# KiCad board vme-wren.kicad_pcb (continued)
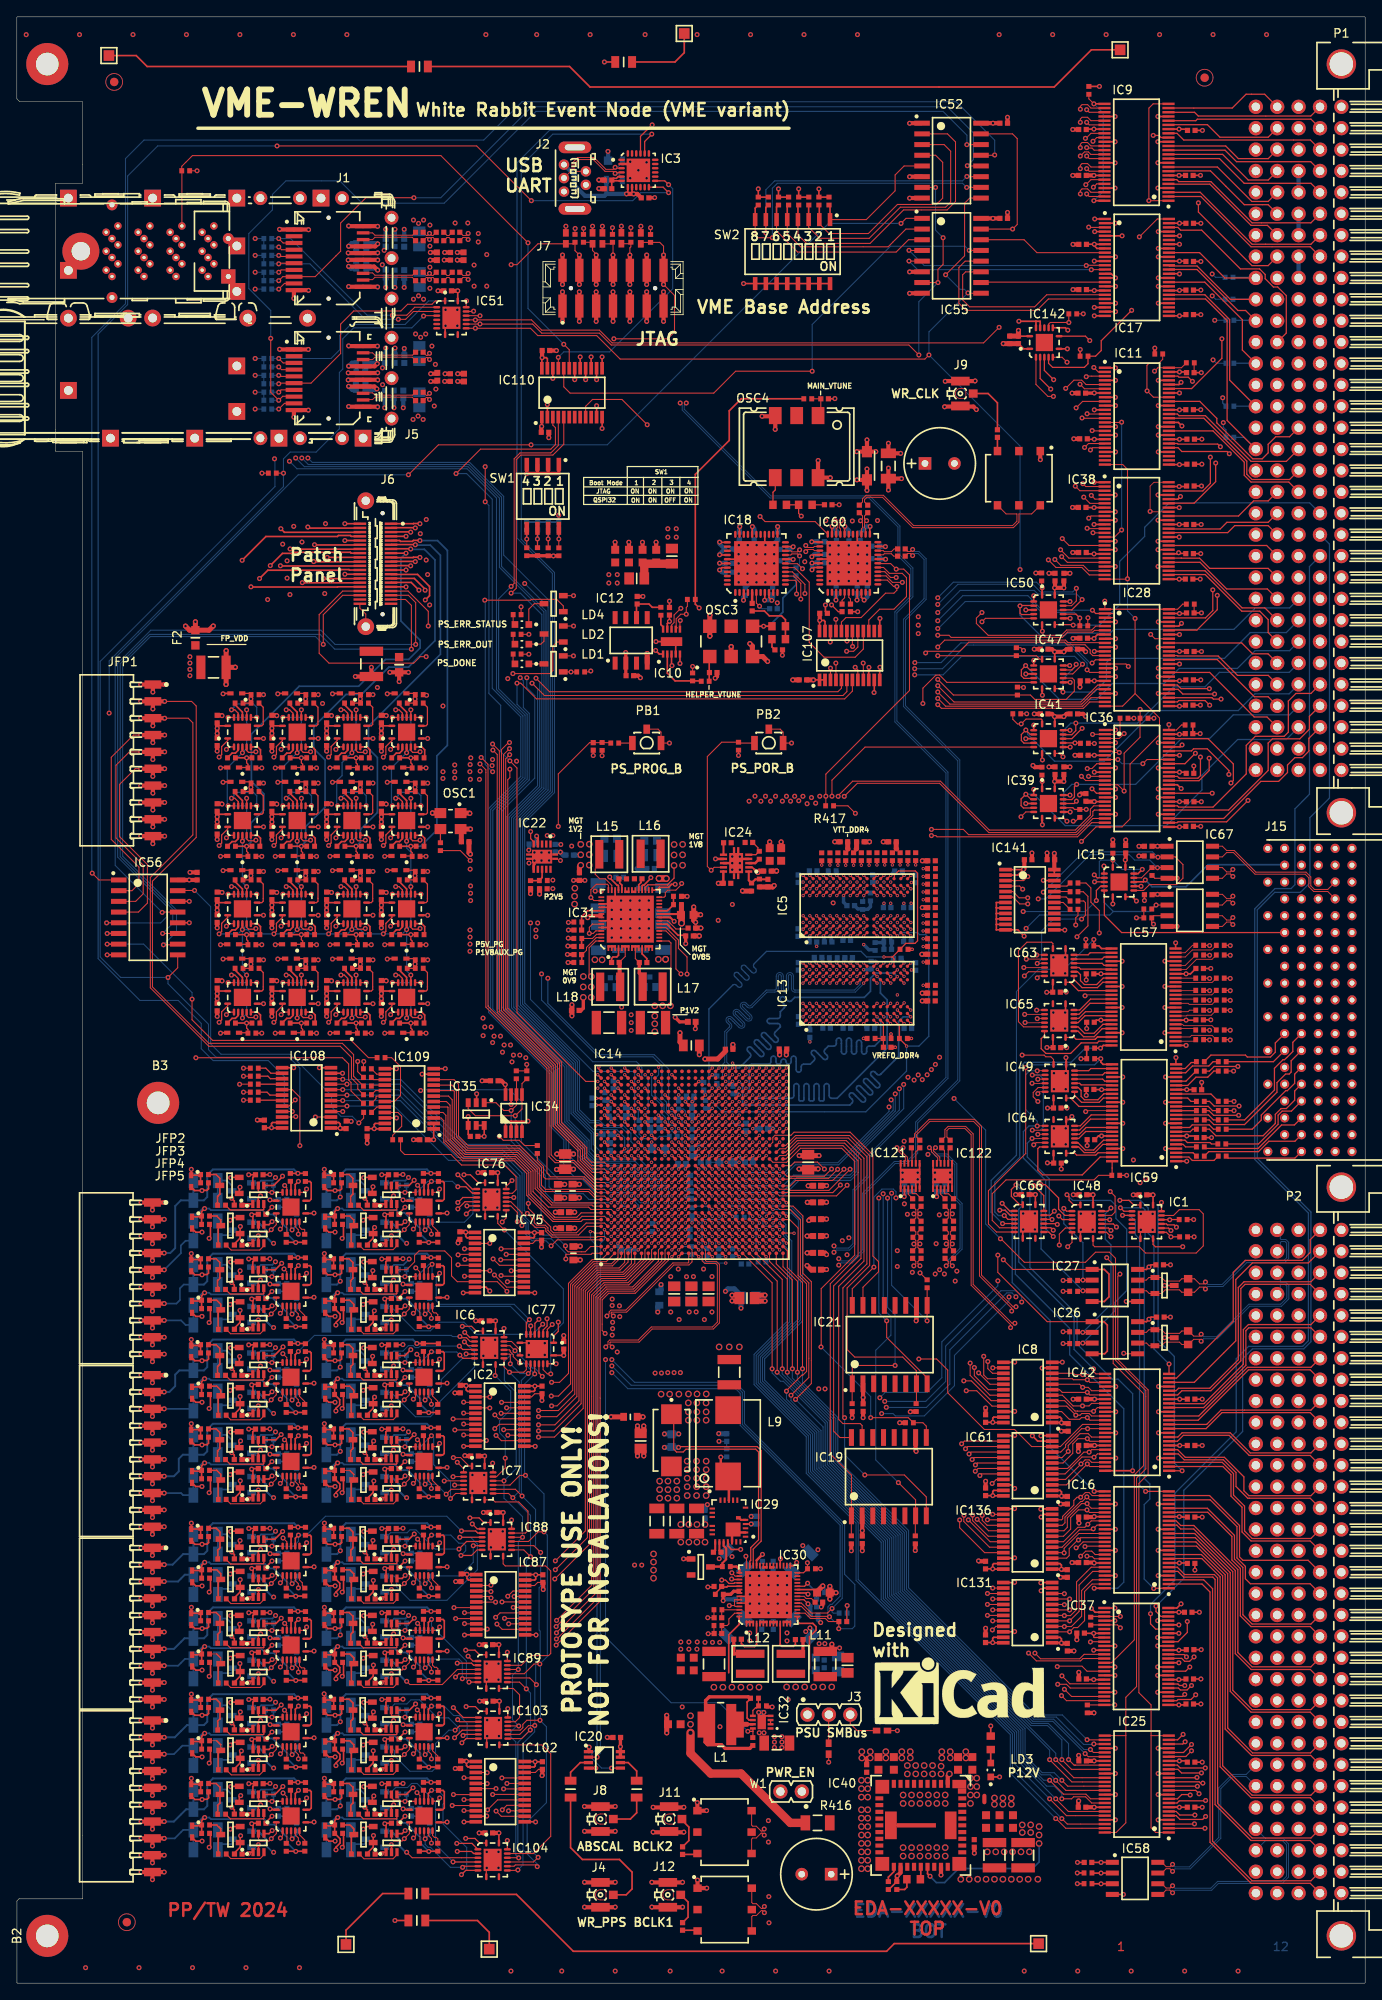
[diagram p0: board, top side]
## Library data of the parts (continued)
P1 = -: Description: HAR-BUS 64; SMD: No; Library Ref: Connector 160zabcd Male (5x32); Library Path: SchLib\Connectors.SchLib; Component Kind: Standard; Component Type: Standard; Pin Count: 162; Footprint Path: PcbLib\HARTING THD.PcbLib; Footprint Ref: HARTING_02 01 160 2101; Family: HAR-BUS 64; Mounted: Yes; Socket: No; PressFit: No; Sense: No; Status: None; Part Description: DIN 41612, har-bus 64, 160 poles,5 Rows z+a+b+c+d, Angled solder pins, Male contacts, Pitch 2.54mm; Manufacturer: HARTING; Manufacturer Part Number: 02 01 160 2101; ComponentHeight: 11.1mm; Author: CERN DEM JLC; CreateDate: 11/26/08 00:00:00; LatestRevisionDate: 07/26/22 00:00:00; Database Table Name: Connectors; Library Name: HARTING; Footprint Library: HARTING THD; License: CC-BY-SA 4.0; Field42: d; Field43: b; Field44: 25; Field45: 10; Field46: 30; Field47: 1; Field48: c; Field49: 32; Field50: 20; Field51: a; Field52: 15; Field53: 5
P2 = -: Description: HAR-BUS 64; SMD: No; Library Ref: Connector 160zabcd Male (5x32); Library Path: SchLib\Connectors.SchLib; Component Kind: Standard; Component Type: Standard; Pin Count: 162; Footprint Path: PcbLib\HARTING THD.PcbLib; Footprint Ref: HARTING_02 01 160 2101; Family: HAR-BUS 64; Mounted: Yes; Socket: No; PressFit: No; Sense: No; Status: None; Part Description: DIN 41612, har-bus 64, 160 poles,5 Rows z+a+b+c+d, Angled solder pins, Male contacts, Pitch 2.54mm; Manufacturer: HARTING; Manufacturer Part Number: 02 01 160 2101; ComponentHeight: 11.1mm; Author: CERN DEM JLC; CreateDate: 11/26/08 00:00:00; LatestRevisionDate: 07/26/22 00:00:00; Database Table Name: Connectors; Library Name: HARTING; Footprint Library: HARTING THD; License: CC-BY-SA 4.0; Field42: a; Field43: d; Field44: 10; Field45: 1; Field46: 5; Field47: 20; Field48: c; Field49: 32; Field50: 25; Field51: 30; Field52: b; Field53: 15
PB1 PB2 = -: Author: CERN DEM JLC; Component Kind: Standard; Component Type: Standard; ComponentHeight: 1.75mm; CreateDate: 03/16/10 00:00:00; Database Table Name: Eletro-mechanical; Family: Push Button; Footprint Library: Switches; Footprint Path: PcbLib\Switches.PcbLib; LatestRevisionDate: 03/16/10 00:00:00; Library Name: Switches; Library Path: SchLib\Switches.SchLib; Library Ref: PB SPST 1NO-2NO 3CASE; License: CC-BY-SA 4.0; Manufacturer: OMRON; Mounted: Yes; PackageDescription: Body 1.2x3x2.5mm Ultra-Small Tactile SPST Pushbutton Switch, (with Ground Terminal), OMRON B3U Series; Part Description: 3x2.5mm Ultra-Small Tactile SPST Pushbutton Switch (with Ground Terminal),Contact Rating 50mA 12VDC, B3U Series; Pin Count: 3; PressFit: No; SMD: Yes; Sense: No; Socket: No; Status: None
R1 R20-R23 R34 R57 R58 = -: Val: 240; Library Ref: Resistor - 1%; Library Path: SchLib\Resistors.SchLib; Comment: 240; Component Kind: Standard; Component Type: Standard; Pin Count: 2; Footprint Path: PcbLib\Resistors SMD.PcbLib; Footprint Ref: RESC1005X40N; Status: Not Recommended; Power: 0.0625W; TC: ±100ppm/°C; Tolerance: ±1%; Part Description: General Purpose Thick Film Chip Resistor; Manufacturer: GENERIC; Case: 0402; PressFit: No; Mounted: Yes; Sense: No; Socket: No; SMD: Yes; Manufacturer1 Example: YAGEO PHYCOMP; Manufacturer1 Part Number: 232270672401L; Manufacturer1 ComponentHeight: 0.4mm; Author: CERN DEM JLC; CreateDate: 12/03/07 00:00:00; LatestRevisionDate: 10/17/12 00:00:00; Database Table Name: Resistors; Library Name: Resistors SMD; Footprint Library: Resistors SMD; License: CC-BY-SA 4.0
R2-R4 R165 = -: Description: ±1%; Val: 300; Library Ref: Resistor - 1%; Library Path: SchLib\Resistors.SchLib; Comment: 300; Component Kind: Standard; Component Type: Standard; Pin Count: 2; Footprint Path: PcbLib\Resistors SMD.PcbLib; Footprint Ref: RESC1005X40N; Status: Not Recommended; Power: 0.0625W; TC: ±100ppm/°C; Tolerance: ±1%; Part Description: General Purpose Thick Film Chip Resistor; Manufacturer: GENERIC; Case: 0402; PressFit: No; Mounted: Yes; Sense: No; Socket: No; SMD: Yes; Manufacturer1 Example: YAGEO PHYCOMP; Manufacturer1 Part Number: 232270673001L; Manufacturer1 ComponentHeight: 0.4mm; Author: CERN DEM JLC; CreateDate: 12/03/07 00:00:00; LatestRevisionDate: 10/17/12 00:00:00; Database Table Name: Resistors; Library Name: Resistors SMD; Footprint Library: Resistors SMD; License: CC-BY-SA 4.0
R5 R8 R9 R12-R19 R25 R26 R30 R31 R46 R51-R54 R64 R113 R115 R168-R170 R226 R254 R255 R389-R395 R417 R446 = -: Val: 4k7; Library Ref: Resistor - 1%; Library Path: SchLib\Resistors.SchLib; Comment: 4k7; Component Kind: Standard; Component Type: Standard; Pin Count: 2; Footprint Path: PcbLib\Resistors SMD.PcbLib; Footprint Ref: RESC1005X40N; Status: Not Recommended; Power: 0.0625W; TC: ±100ppm/°C; Tolerance: ±1%; Part Description: General Purpose Thick Film Chip Resistor; Manufacturer: GENERIC; Case: 0402; PressFit: No; Mounted: Yes; Sense: No; Socket: No; SMD: Yes; Manufacturer1 Example: YAGEO PHYCOMP; Manufacturer1 Part Number: 232270674702L; Manufacturer1 ComponentHeight: 0.4mm; Author: CERN DEM JLC; CreateDate: 12/03/07 00:00:00; LatestRevisionDate: 10/17/12 00:00:00; Database Table Name: Resistors; Library Name: Resistors SMD; Footprint Library: Resistors SMD; License: CC-BY-SA 4.0
R6 R10 R40 R48 R49 R55 R56 R59-R61 R67-R69 R89 R90 R92 R95 R98 R99 R101-R104 R114 R117 R121 R122 R124 R126 R133 R140 R141 R148 R154 R155 R171 R177 R178 R186 R189 R192 R196-R198 R203 R204 R223 R260 R263-R266 R273 R274 R287 R288 R301 R302 R315 R316 R329 R330 R343 R344 R357 R358 R371 R372 R385 R388 R403 R585-R595 = -: Description: ±1%; Val: 10k; Library Ref: Resistor - 1%; Library Path: SchLib\Resistors.SchLib; Comment: 10k; Component Kind: Standard; Component Type: Standard; Pin Count: 2; Footprint Path: PcbLib\Resistors SMD.PcbLib; Footprint Ref: RESC1005X40N; Status: Not Recommended; Power: 0.0625W; TC: ±100ppm/°C; Tolerance: ±1%; Part Description: General Purpose Thick Film Chip Resistor; Manufacturer: GENERIC; Case: 0402; PressFit: No; Mounted: Yes; Sense: No; Socket: No; SMD: Yes; Manufacturer1 Example: YAGEO PHYCOMP; Manufacturer1 Part Number: 232270671003L; Manufacturer1 ComponentHeight: 0.4mm; Author: CERN DEM JLC; CreateDate: 12/03/07 00:00:00; LatestRevisionDate: 10/17/12 00:00:00; Database Table Name: Resistors; Library Name: Resistors SMD; Footprint Library: Resistors SMD; License: CC-BY-SA 4.0
R7 R24 R62 R118 R120 R125 R127 R128 R212 R227 = -: Val: 10k; Library Ref: Resistor - 1%; Library Path: SchLib\Resistors.SchLib; Comment: 10k; Component Kind: Standard; Component Type: Standard; Pin Count: 2; Footprint Path: PcbLib\Resistors SMD.PcbLib; Footprint Ref: RESC1005X40N; Status: Not Recommended; Power: 0.0625W; TC: ±100ppm/°C; Tolerance: ±1%; Part Description: General Purpose Thick Film Chip Resistor; Manufacturer: GENERIC; Case: 0402; PressFit: No; Mounted: Yes; Sense: No; Socket: No; SMD: Yes; Manufacturer1 Example: YAGEO PHYCOMP; Manufacturer1 Part Number: 232270671003L; Manufacturer1 ComponentHeight: 0.4mm; Author: CERN DEM JLC; CreateDate: 12/03/07 00:00:00; LatestRevisionDate: 10/17/12 00:00:00; Database Table Name: Resistors; Library Name: Resistors SMD; Footprint Library: Resistors SMD; License: CC-BY-SA 4.0
R11 = -: Author: CERN DEM JLC; Case: 0402; Comment: 500; Component Kind: Standard; Component Type: Standard; ComponentHeight: 0.84mm; CreateDate: 08/22/18 00:00:00; Database Table Name: Resistors; Footprint Library: Resistors SMD; Footprint Path: PcbLib\Resistors SMD.PcbLib; Footprint Ref: RESC1106X84N; LatestRevisionDate: 08/22/18 00:00:00; Library Name: Resistors SMD; Library Path: SchLib\Resistors.SchLib; Library Ref: Resistor - 0.1%; License: CC-BY-SA 4.0; Manufacturer: VISHAY; Manufacturer Part Number: PNM0402E5000BST1; Mounted: Yes; Part Description: Surface Mount Precision Thin Film Non-Magnetic Resistor; Pin Count: 2; Power: 0.05W; PressFit: No; SMD: Yes; Sense: No; Socket: No; Status: None; TC: ±25ppm/°C; Tolerance: ±0.1%; Val: 500
R27 R190 R191 = -: Val: 22; Library Ref: Resistor - 1%; Library Path: SchLib\Resistors.SchLib; Comment: 22; Component Kind: Standard; Component Type: Standard; Pin Count: 2; Footprint Path: PcbLib\Resistors SMD.PcbLib; Footprint Ref: RESC1005X40N; Status: Not Recommended; Power: 0.0625W; TC: ±100ppm/°C; Tolerance: ±1%; Part Description: General Purpose Thick Film Chip Resistor; Manufacturer: GENERIC; Case: 0402; PressFit: No; Mounted: Yes; Sense: No; Socket: No; SMD: Yes; Manufacturer1 Example: YAGEO PHYCOMP; Manufacturer1 Part Number: 232270672209L; Manufacturer1 ComponentHeight: 0.4mm; Author: CERN DEM JLC; CreateDate: 12/03/07 00:00:00; LatestRevisionDate: 10/17/12 00:00:00; Database Table Name: Resistors; Library Name: Resistors SMD; Footprint Library: Resistors SMD; License: CC-BY-SA 4.0
R28 R29 R32 R33 R50 R93 R123 R129 R130 R142-R145 R156-R159 R164 R179 R180 R182 R183 R218-R220 R261 R275-R278 R281 R289-R292 R295 R303-R306 R317-R320 R331-R334 R337 R345-R348 R351 R359-R362 R365 R373-R376 R379 R404-R407 R418-R421 R432-R435 R438 R448 R508 R509 R512-R515 R518-R521 R524-R527 R530-R533 R536-R539 R542-R545 R548-R551 R554-R557 R560-R563 R566-R569 R572-R575 R578-R581 = -: Val: 4R7; Library Ref: Resistor - 1%; Library Path: SchLib\Resistors.SchLib; Comment: 4R7; Component Kind: Standard; Component Type: Standard; Pin Count: 2; Footprint Path: PcbLib\Resistors SMD.PcbLib; Footprint Ref: RESC1005X40N; Status: Not Recommended; Power: 0.0625W; TC: ±200ppm/°C; Tolerance: ±1%; Part Description: General Purpose Thick Film Chip Resistor; Manufacturer: GENERIC; Case: 0402; PressFit: No; Mounted: Yes; Sense: No; Socket: No; SMD: Yes; Manufacturer1 Example: YAGEO PHYCOMP; Manufacturer1 Part Number: 232270674708L; Manufacturer1 ComponentHeight: 0.4mm; Author: CERN DEM JLC; CreateDate: 12/03/07 00:00:00; LatestRevisionDate: 10/17/12 00:00:00; Database Table Name: Resistors; Library Name: Resistors SMD; Footprint Library: Resistors SMD; License: CC-BY-SA 4.0
R35 R36 R63 R131 R132 R146 R147 R166 R167 R184 R185 R207 R215 R262 R267 R279 R280 R293 R294 R307-R309 R321-R323 R335 R336 R349 R350 R363 R364 R377 R378 R408-R410 R422-R424 R436 R437 R510 R511 R516 R517 R522 R523 R528 R529 R534 R535 R540 R541 R546 R547 R552 R553 R558 R559 R564 R565 R570 R571 R576 R577 R582 R583 = -: Val: 1k; Library Ref: Resistor - 1%; Library Path: SchLib\Resistors.SchLib; Comment: 1k; Component Kind: Standard; Component Type: Standard; Pin Count: 2; Footprint Path: PcbLib\Resistors SMD.PcbLib; Footprint Ref: RESC1005X40N; Status: Not Recommended; Power: 0.0625W; TC: ±100ppm/°C; Tolerance: ±1%; Part Description: General Purpose Thick Film Chip Resistor; Manufacturer: GENERIC; Case: 0402; PressFit: No; Mounted: Yes; Sense: No; Socket: No; SMD: Yes; Manufacturer1 Example: YAGEO PHYCOMP; Manufacturer1 Part Number: 232270671002L; Manufacturer1 ComponentHeight: 0.4mm; Author: CERN DEM JLC; CreateDate: 12/03/07 00:00:00; LatestRevisionDate: 10/17/12 00:00:00; Database Table Name: Resistors; Library Name: Resistors SMD; Footprint Library: Resistors SMD; License: CC-BY-SA 4.0
R37 = -: Val: 75k; Library Ref: Resistor - 1%; Library Path: SchLib\Resistors.SchLib; Comment: 75k; Component Kind: Standard; Component Type: Standard; Pin Count: 2; Footprint Path: PcbLib\Resistors SMD.PcbLib; Footprint Ref: RESC1005X40N; Status: Not Recommended; Power: 0.0625W; TC: ±100ppm/°C; Tolerance: ±1%; Part Description: General Purpose Thick Film Chip Resistor; Manufacturer: GENERIC; Case: 0402; PressFit: No; Mounted: Yes; Sense: No; Socket: No; SMD: Yes; Manufacturer1 Example: YAGEO PHYCOMP; Manufacturer1 Part Number: 232270677503L; Manufacturer1 ComponentHeight: 0.4mm; Author: CERN DEM JLC; CreateDate: 12/03/07 00:00:00; LatestRevisionDate: 10/17/12 00:00:00; Database Table Name: Resistors; Library Name: Resistors SMD; Footprint Library: Resistors SMD; License: CC-BY-SA 4.0
R38 R39 = -: Val: 4R7; Library Ref: Resistor - 1%; Library Path: SchLib\Resistors.SchLib; Comment: 4R7; Component Kind: Standard; Component Type: Standard; Pin Count: 2; Footprint Path: PcbLib\Resistors SMD.PcbLib; Footprint Ref: RESC2012X60N; Status: Preferred; Power: 0.125W; TC: ±200ppm/°C; Tolerance: ±1%; Part Description: General Purpose Thick Film Chip Resistor; Manufacturer: GENERIC; Case: 0805; PressFit: No; Mounted: Yes; Sense: No; Socket: No; SMD: Yes; Manufacturer1 Example: YAGEO PHYCOMP; Manufacturer1 Part Number: 232273464708L or RC0805FR-074R7L; Manufacturer1 ComponentHeight: 0.65mm; Author: CERN DEM JLC; CreateDate: 12/03/07 00:00:00; LatestRevisionDate: 10/17/12 00:00:00; Database Table Name: Resistors; Library Name: Resistors SMD; Footprint Library: Resistors SMD; License: CC-BY-SA 4.0
R41 R135 R149 R172 R268 R282 R296 R310 R324 R338 R352 R366 R380 R411 R425 R439 R454 R457 R459 R461 R464-R507 = -: Description: ±1%; Val: 91; Library Ref: Resistor - 1%; Library Path: SchLib\Resistors.SchLib; Comment: 91; Component Kind: Standard; Component Type: Standard; Pin Count: 2; Footprint Path: PcbLib\Resistors SMD.PcbLib; Footprint Ref: RESC3216X65N; Status: Preferred; Power: 0.25W; TC: ±100ppm/°C; Tolerance: ±1%; Part Description: General Purpose Thick Film Chip Resistor; Manufacturer: GENERIC; Case: 1206; PressFit: No; Mounted: Yes; Sense: No; Socket: No; SMD: Yes; Manufacturer1 Example: NIC COMPONENT; Manufacturer1 Part Number: NRC12F91R0TRF; Manufacturer1 ComponentHeight: 0.65mm; Author: CERN DEM JLC; CreateDate: 12/03/07 00:00:00; LatestRevisionDate: 03/13/08 00:00:00; Database Table Name: Resistors; Library Name: Resistors SMD; Footprint Library: Resistors SMD; License: CC-BY-SA 4.0
R42-R45 R47 R119 R136-R139 R150-R153 R160-R163 R173-R176 R194 R195 R222 R269-R272 R283-R286 R297-R300 R311-R314 R325-R328 R339-R342 R353-R356 R367-R370 R381-R384 R412-R415 R426-R429 R440-R445 = -: Val: 100; Library Ref: Resistor - 1%; Library Path: SchLib\Resistors.SchLib; Comment: 100; Component Kind: Standard; Component Type: Standard; Pin Count: 2; Footprint Path: PcbLib\Resistors SMD.PcbLib; Footprint Ref: RESC1005X40N; Status: Not Recommended; Power: 0.0625W; TC: ±100ppm/°C; Tolerance: ±1%; Part Description: General Purpose Thick Film Chip Resistor; Manufacturer: GENERIC; Case: 0402; PressFit: No; Mounted: Yes; Sense: No; Socket: No; SMD: Yes; Manufacturer1 Example: YAGEO PHYCOMP; Manufacturer1 Part Number: 232270671001L; Manufacturer1 ComponentHeight: 0.4mm; Author: CERN DEM JLC; CreateDate: 12/03/07 00:00:00; LatestRevisionDate: 10/17/12 00:00:00; Database Table Name: Resistors; Library Name: Resistors SMD; Footprint Library: Resistors SMD; License: CC-BY-SA 4.0
R65 R66 R86 R94 = -: Val: 0; Library Ref: Resistor; Library Path: SchLib\Resistors.SchLib; Comment: 0; Component Kind: Standard; Component Type: Standard; Pin Count: 2; Footprint Path: PcbLib\Resistors SMD.PcbLib; Footprint Ref: RESC1005X40N; Status: Not Recommended; Part Description: 1A (0.05R Max DC Resistance) Zero Ohm Jumper; Manufacturer: GENERIC; Case: 0402; PressFit: No; Mounted: No; Sense: No; Socket: No; SMD: Yes; Manufacturer1 Example: YAGEO PHYCOMP; Manufacturer1 Part Number: 232270591001L; Manufacturer1 ComponentHeight: 0.4mm; Author: CERN DEM JLC; CreateDate: 12/03/07 00:00:00; LatestRevisionDate: 10/17/12 00:00:00; Database Table Name: Resistors; Library Name: Resistors SMD; Footprint Library: Resistors SMD; License: CC-BY-SA 4.0
R70-R85 R91 R96 R97 R105-R110 = -: Val: 39R2; Library Ref: Resistor - 1%; Library Path: SchLib\Resistors.SchLib; Comment: 39R2; Component Kind: Standard; Component Type: Standard; Pin Count: 2; Footprint Path: PcbLib\Resistors SMD.PcbLib; Footprint Ref: RESC1005X40N; Status: None; Power: 0.063W; TC: ±100ppm/°C; Tolerance: ±1%; Part Description: General Purpose Thick Film Chip Resistor; Manufacturer: GENERIC; Case: 0402; PressFit: No; Mounted: Yes; Sense: No; Socket: No; SMD: Yes; Manufacturer1 Example: VISHAY; Manufacturer1 Part Number: CRCW040239R2FK; Manufacturer1 ComponentHeight: 0.4mm; Author: CERN DEM BC; CreateDate: 11/17/20 00:00:00; LatestRevisionDate: 11/17/20 00:00:00; Database Table Name: Resistors; Library Name: Resistors SMD; Footprint Library: Resistors SMD; License: CC-BY-SA 4.0
R87 R88 = -: Description: ±1%; Author: CERN DEM HF; Case: 0603; Comment: 120; Component Kind: Standard; Component Type: Standard; CreateDate: 02/24/23 00:00:00; Database Table Name: Resistors; Footprint Library: Resistors SMD; Footprint Path: PcbLib\Resistors SMD.PcbLib; Footprint Ref: RESC1608X55N; LatestRevisionDate: 02/24/23 00:00:00; Library Name: Resistors SMD; Library Path: SchLib\Resistors.SchLib; Library Ref: Resistor - 1%; License: CC-BY-SA 4.0; Manufacturer: GENERIC; Manufacturer1 ComponentHeight: 0.55mm; Manufacturer1 Example: TE CONNECTIVITY; Manufacturer1 Part Number: CRGH0603F120R; Mounted: Yes; Part Description: General Purpose Thick Film Chip Resistor; Pin Count: 2; Power: 0.2W; PressFit: No; SMD: Yes; Sense: No; Socket: No; Status: Preferred; TC: ±200ppm/°C; Tolerance: ±1%; Val: 120
R100 = -: Description: ±1%; Val: 90K9; Library Ref: Resistor - 1%; Library Path: SchLib\Resistors.SchLib; Comment: 90K9; Component Kind: Standard; Component Type: Standard; Pin Count: 2; Footprint Path: PcbLib\Resistors SMD.PcbLib; Footprint Ref: RESC1005X40N; Status: None; Power: 0.063W; TC: ±100ppm/°C; Tolerance: ±1%; Part Description: General Purpose Thick Film Chip Resistor; Manufacturer: GENERIC; Case: 0402; PressFit: No; Mounted: Yes; Sense: No; Socket: No; SMD: Yes; Manufacturer1 Example: VISHAY; Manufacturer1 Part Number: CRCW040290K9FK; Manufacturer1 ComponentHeight: 0.4mm; Author: CERN DEM BC; CreateDate: 01/10/20 00:00:00; LatestRevisionDate: 01/10/20 00:00:00; Database Table Name: Resistors; Library Name: Resistors SMD; Footprint Library: Resistors SMD; License: CC-BY-SA 4.0
R111 R112 = -: Val: 36; Library Ref: Resistor - 1%; Library Path: SchLib\Resistors.SchLib; Comment: 36; Component Kind: Standard; Component Type: Standard; Pin Count: 2; Footprint Path: PcbLib\Resistors SMD.PcbLib; Footprint Ref: RESC1005X40N; Status: Not Recommended; Power: 0.0625W; TC: ±100ppm/°C; Tolerance: ±1%; Part Description: General Purpose Thick Film Chip Resistor; Manufacturer: GENERIC; Case: 0402; PressFit: No; Mounted: Yes; Sense: No; Socket: No; SMD: Yes; Manufacturer1 Example: YAGEO PHYCOMP; Manufacturer1 Part Number: 232270673609L; Manufacturer1 ComponentHeight: 0.4mm; Author: CERN DEM JLC; CreateDate: 12/03/07 00:00:00; LatestRevisionDate: 10/17/12 00:00:00; Database Table Name: Resistors; Library Name: Resistors SMD; Footprint Library: Resistors SMD; License: CC-BY-SA 4.0
R116 R187 R188 R193 R221 R224 R225 R228-R250 R252 R256-R259 R386 R387 R396 R399 R449-R453 R455 R456 R458 R460 R462 R463 = -: Description: ±1%; Val: 33; Library Ref: Resistor - 1%; Library Path: SchLib\Resistors.SchLib; Comment: 33; Component Kind: Standard; Component Type: Standard; Pin Count: 2; Footprint Path: PcbLib\Resistors SMD.PcbLib; Footprint Ref: RESC1005X40N; Status: Not Recommended; Power: 0.0625W; TC: ±100ppm/°C; Tolerance: ±1%; Part Description: General Purpose Thick Film Chip Resistor; Manufacturer: GENERIC; Case: 0402; PressFit: No; Mounted: Yes; Sense: No; Socket: No; SMD: Yes; Manufacturer1 Example: YAGEO PHYCOMP; Manufacturer1 Part Number: 232270673309L; Manufacturer1 ComponentHeight: 0.4mm; Author: CERN DEM JLC; CreateDate: 12/03/07 00:00:00; LatestRevisionDate: 10/17/12 00:00:00; Database Table Name: Resistors; Library Name: Resistors SMD; Footprint Library: Resistors SMD; License: CC-BY-SA 4.0
R134 = -: Val: 10; Library Ref: Resistor - 1%; Library Path: SchLib\Resistors.SchLib; Comment: 10; Component Kind: Standard; Component Type: Standard; Pin Count: 2; Footprint Path: PcbLib\Resistors SMD.PcbLib; Footprint Ref: RESC1005X40N; Status: Not Recommended; Power: 0.0625W; TC: ±200ppm/°C; Tolerance: ±1%; Part Description: General Purpose Thick Film Chip Resistor; Manufacturer: GENERIC; Case: 0402; PressFit: No; Mounted: Yes; Sense: No; Socket: No; SMD: Yes; Manufacturer1 Example: YAGEO PHYCOMP; Manufacturer1 Part Number: 232270671009L; Manufacturer1 ComponentHeight: 0.4mm; Author: CERN DEM JLC; CreateDate: 06/24/09 00:00:00; LatestRevisionDate: 10/17/12 00:00:00; Database Table Name: Resistors; Library Name: Resistors SMD; Footprint Library: Resistors SMD; License: CC-BY-SA 4.0
R181 = -: Description: ±1%; Author: CERN DEM JLC; Case: 0603; Comment: 15; Component Kind: Standard; Component Type: Standard; CreateDate: 12/03/07 00:00:00; Database Table Name: Resistors; Footprint Library: Resistors SMD; Footprint Path: PcbLib\Resistors SMD.PcbLib; Footprint Ref: RESC1608X55N; LatestRevisionDate: 03/13/08 00:00:00; Library Name: Resistors SMD; Library Path: SchLib\Resistors.SchLib; Library Ref: Resistor - 1%; License: CC-BY-SA 4.0; Manufacturer: GENERIC; Manufacturer1 ComponentHeight: 0.55mm; Manufacturer1 Example: NIC COMPONENT; Manufacturer1 Part Number: NRC06F15R0TRF; Mounted: Yes; Part Description: General Purpose Thick Film Chip Resistor; Pin Count: 2; Power: 0.1W; PressFit: No; SMD: Yes; Sense: No; Socket: No; Status: Preferred; TC: ±100ppm/°C; Tolerance: ±1%; Val: 15
R199 R201 = -: Author: CERN DEM JLC; Case: 0603; Comment: 523; Component Kind: Standard; Component Type: Standard; CreateDate: 12/03/07 00:00:00; Database Table Name: Resistors; Footprint Library: Resistors SMD; Footprint Path: PcbLib\Resistors SMD.PcbLib; Footprint Ref: RESC1608X55N; LatestRevisionDate: 03/13/08 00:00:00; Library Name: Resistors SMD; Library Path: SchLib\Resistors.SchLib; Library Ref: Resistor - 0.1%; License: CC-BY-SA 4.0; Manufacturer: GENERIC; Manufacturer1 ComponentHeight: 0.5mm; Manufacturer1 Example: TYCO HOLSWORTHY; Manufacturer1 Part Number: RN73C1J523RBTDF; Mounted: Yes; Part Description: Thin Film Chip Resistor; Pin Count: 2; Power: 0.063W; PressFit: No; SMD: Yes; Sense: No; Socket: No; Status: Not Recommended; TC: ±10ppm; Tolerance: ±0.1%; Val: 523
R200 R202 = -: Author: CERN DEM JLC; Case: 0603; Comment: 442; Component Kind: Standard; Component Type: Standard; CreateDate: 12/03/07 00:00:00; Database Table Name: Resistors; Footprint Library: Resistors SMD; Footprint Path: PcbLib\Resistors SMD.PcbLib; Footprint Ref: RESC1608X55N; LatestRevisionDate: 03/13/08 00:00:00; Library Name: Resistors SMD; Library Path: SchLib\Resistors.SchLib; Library Ref: Resistor - 0.1%; License: CC-BY-SA 4.0; Manufacturer: GENERIC; Manufacturer1 ComponentHeight: 0.5mm; Manufacturer1 Example: TYCO HOLSWORTHY; Manufacturer1 Part Number: RN73C1J442RBTDF; Mounted: Yes; Part Description: Thin Film Chip Resistor; Pin Count: 2; Power: 0.063W; PressFit: No; SMD: Yes; Sense: No; Socket: No; Status: Not Recommended; TC: ±10ppm; Tolerance: ±0.1%; Val: 442
R205 R213 = -: Val: 2R2; Library Ref: Resistor - 1%; Library Path: SchLib\Resistors.SchLib; Comment: 2R2; Component Kind: Standard; Component Type: Standard; Pin Count: 2; Footprint Path: PcbLib\Resistors SMD.PcbLib; Footprint Ref: RESC1005X40N; Status: Not Recommended; Power: 0.0625W; TC: ±200ppm/°C; Tolerance: ±1%; Part Description: General Purpose Thick Film Chip Resistor; Manufacturer: GENERIC; Case: 0402; PressFit: No; Mounted: Yes; Sense: No; Socket: No; SMD: Yes; Manufacturer1 Example: YAGEO PHYCOMP; Manufacturer1 Part Number: 232270672208L; Manufacturer1 ComponentHeight: 0.4mm; Author: CERN DEM JLC; CreateDate: 12/03/07 00:00:00; LatestRevisionDate: 10/17/12 00:00:00; Database Table Name: Resistors; Library Name: Resistors SMD; Footprint Library: Resistors SMD; License: CC-BY-SA 4.0
R206 = -: Val: 1k4; Library Ref: Resistor - 1%; Library Path: SchLib\Resistors.SchLib; Comment: 1k4; Component Kind: Standard; Component Type: Standard; Pin Count: 2; Footprint Path: PcbLib\Resistors SMD.PcbLib; Footprint Ref: RESC1005X40N; Status: None; Power: 0.063W; TC: ±100ppm/°C; Tolerance: ±1%; Part Description: General Purpose Thick Film Chip Resistor; Manufacturer: GENERIC; Case: 0402; PressFit: No; Mounted: Yes; Sense: No; Socket: No; SMD: Yes; Manufacturer1 Example: VISHAY; Manufacturer1 Part Number: CRCW04021K40FK; Manufacturer1 ComponentHeight: 0.4mm; Author: CERN DEM BC; CreateDate: 02/08/21 00:00:00; LatestRevisionDate: 02/08/21 00:00:00; Database Table Name: Resistors; Library Name: Resistors SMD; Footprint Library: Resistors SMD; License: CC-BY-SA 4.0
